# Altium PCB PCB.PcbDoc (part 1 of 4) (continued)
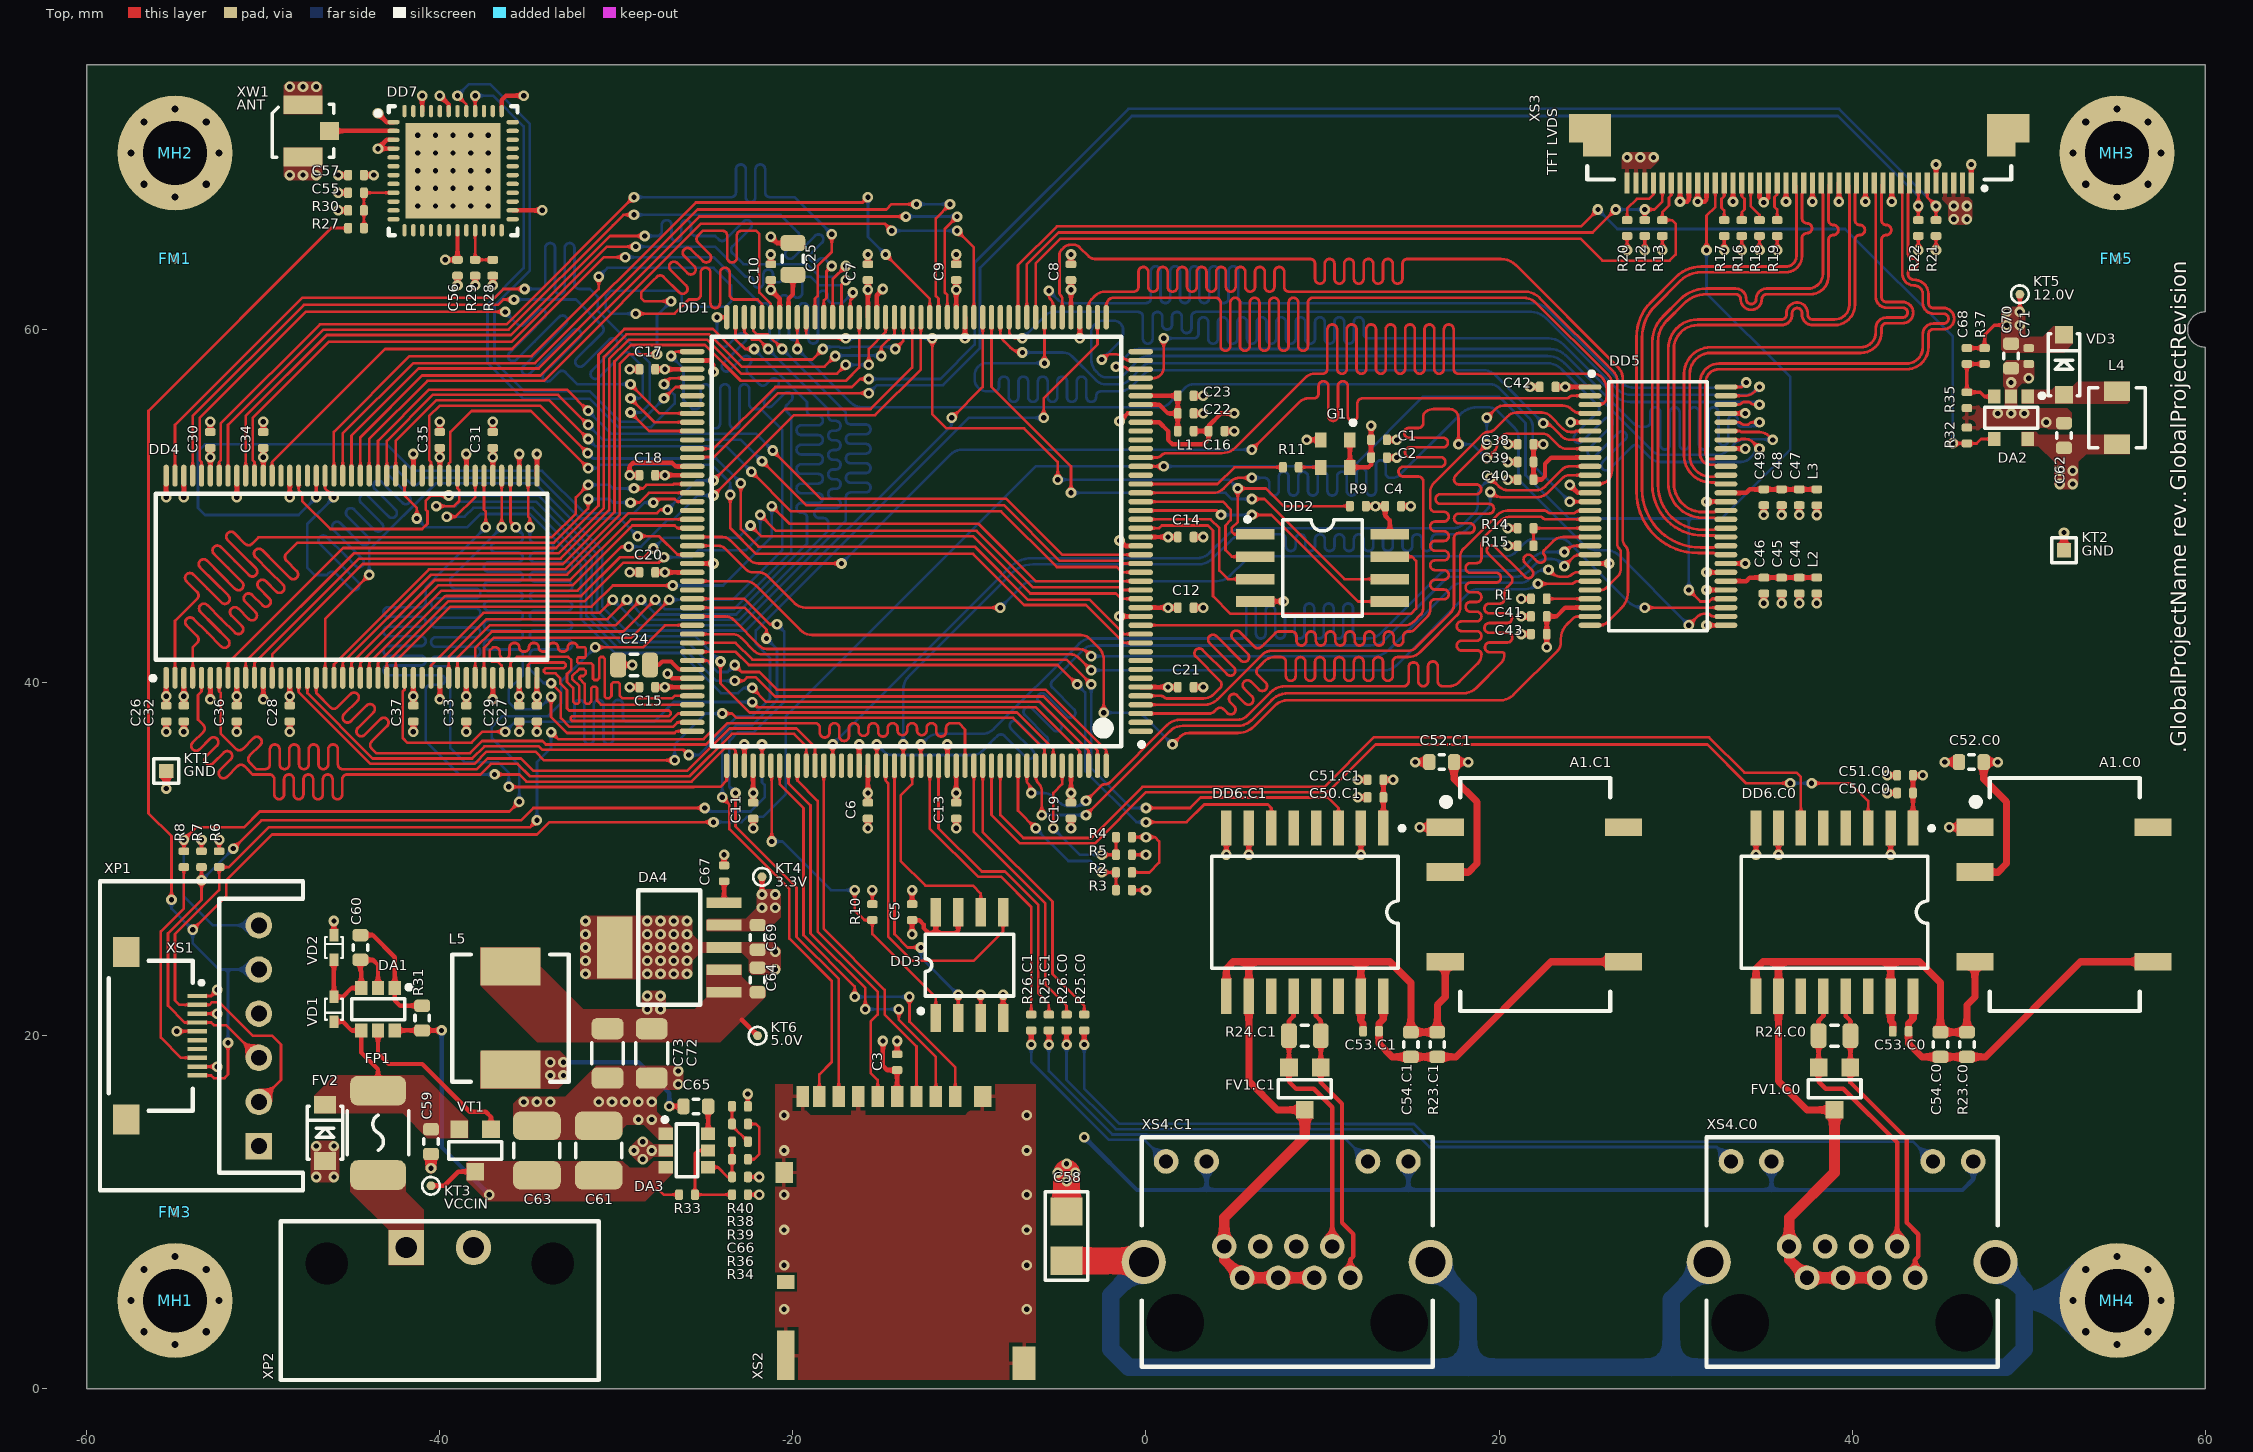
[diagram p0: Top view]
## Footprints (in the part's own frame and the unit in brackets; to place one, negate y for a bottom-side part, rotate by r counter-clockwise, add the part's x,y. Pads: shape width x height; smd on the part's side, far side on the other; paste and mask are expansions set on the pad) (continued)
  oval 0.3x1.4 smd: 45(-10.75,-12.7) 46(-10.25,-12.7) 47(-9.75,-12.7) 48(-9.25,-12.7) 49(-8.75,-12.7) 50(-8.25,-12.7) 51(-7.75,-12.7) 52(-7.25,-12.7) 53(-6.75,-12.7) 54(-6.25,-12.7) 55(-5.75,-12.7) 56(-5.25,-12.7) 57(-4.75,-12.7) 58(-4.25,-12.7) 59(-3.75,-12.7) 60(-3.25,-12.7) 61(-2.75,-12.7) 62(-2.25,-12.7) 63(-1.75,-12.7) 64(-1.25,-12.7) 65(-0.75,-12.7) 66(-0.25,-12.7) 67(0.25,-12.7) 68(0.75,-12.7) 69(1.25,-12.7) 70(1.75,-12.7) 71(2.25,-12.7) 72(2.75,-12.7) 73(3.25,-12.7) 74(3.75,-12.7) 75(4.25,-12.7) 76(4.75,-12.7) 77(5.25,-12.7) 78(5.75,-12.7) 79(6.25,-12.7) 80(6.75,-12.7) 81(7.25,-12.7) 82(7.75,-12.7) 83(8.25,-12.7) 84(8.75,-12.7) 85(9.25,-12.7) 86(9.75,-12.7) 87(10.25,-12.7) 88(10.75,-12.7) 133(10.75,12.7) 134(10.25,12.7) 135(9.75,12.7) 136(9.25,12.7) 137(8.75,12.7) 138(8.25,12.7) 139(7.75,12.7) 140(7.25,12.7) 141(6.75,12.7) 142(6.25,12.7) 143(5.75,12.7) 144(5.25,12.7) 145(4.75,12.7) 146(4.25,12.7) 147(3.75,12.7) 148(3.25,12.7) 149(2.75,12.7) 150(2.25,12.7) 151(1.75,12.7) 152(1.25,12.7) 153(0.75,12.7) 154(0.25,12.7) 155(-0.25,12.7) 156(-0.75,12.7) 157(-1.25,12.7) 158(-1.75,12.7) 159(-2.25,12.7) 160(-2.75,12.7) 161(-3.25,12.7) 162(-3.75,12.7) 163(-4.25,12.7) 164(-4.75,12.7) 165(-5.25,12.7) 166(-5.75,12.7) 167(-6.25,12.7) 168(-6.75,12.7) 169(-7.25,12.7) 170(-7.75,12.7) 171(-8.25,12.7) 172(-8.75,12.7) 173(-9.25,12.7) 174(-9.75,12.7) 175(-10.25,12.7) 176(-10.75,12.7)
  silkscreen extent -12.88,-11.6 11.6,11.62, body extent -13,-13 13,13, height 1.6
Mark-Fiducial_2.00mm [mm] "Реперный знак"
  round 0.5 smd mask+0.5: FM(0,0)
  Top pour cut-out: -1,0 -0.866,0.5 -0.5,0.866 0,1 0,1 0.383,0.924 0.707,0.707 0.924,0.383 1,0 1,0 0.924,-0.383 0.707,-0.707 0.383,-0.924 0,-1 0,-1 -0.383,-0.924 -0.707,-0.707 -0.924,-0.383 -1,0
MH_M3.0 [mm] "Mounting hole M3"
  round 0.4 hole 0.4 paste-10: MH(-2.5,0) MH(-1.768,1.768) MH(-1.768,-1.768) MH(0,2.5) MH(0,-2.5) MH(1.768,1.768) MH(1.768,-1.768) MH(2.5,0)
  round 6.5 hole 3.6 paste-10: MH(0,0)
QFN-48_050P700X700X104_N [mm] "QFN, 48-Leads, Body 7,00x7,00mm, Pitch 0,50mm, Thermal Pad 5,40x5,40mm, IPC High Density"
  oval 0.7x0.25 smd: 1(-3.375,2.75) 2(-3.375,2.25) 3(-3.375,1.75) 4(-3.375,1.25) 5(-3.375,0.75) 6(-3.375,0.25) 7(-3.375,-0.25) 8(-3.375,-0.75) 9(-3.375,-1.25) 10(-3.375,-1.75) 11(-3.375,-2.25) 12(-3.375,-2.75) 25(3.375,-2.75) 26(3.375,-2.25) 27(3.375,-1.75) 28(3.375,-1.25) 29(3.375,-0.75) 30(3.375,-0.25) 31(3.375,0.25) 32(3.375,0.75) 33(3.375,1.25) 34(3.375,1.75) 35(3.375,2.25) 36(3.375,2.75)
  oval 0.25x0.7 smd: 13(-2.75,-3.375) 14(-2.25,-3.375) 15(-1.75,-3.375) 16(-1.25,-3.375) 17(-0.75,-3.375) 18(-0.25,-3.375) 19(0.25,-3.375) 20(0.75,-3.375) 21(1.25,-3.375) 22(1.75,-3.375) 23(2.25,-3.375) 24(2.75,-3.375) 37(2.75,3.375) 38(2.25,3.375) 39(1.75,3.375) 40(1.25,3.375) 41(0.75,3.375) 42(0.25,3.375) 43(-0.25,3.375) 44(-0.75,3.375) 45(-1.25,3.375) 46(-1.75,3.375) 47(-2.25,3.375) 48(-2.75,3.375)
  rect 5.4x5.4 smd: TP(0,0)
  silkscreen extent -4.37,-3.65 3.65,3.65, body extent -3.5,-3.5 3.5,3.5, height 1.04
R0402_L [mm] "Chip Resistor; Body 1.0 x 0.5 mm (LxW typ)"
  rrect50% 0.45x0.6 smd: 1(-0.45,0) 2(0.45,0)
  body extent -0.5,-0.26 0.5,0.26, height 0.36
R0603_L [mm] "Chip Resistor; Body 1.6 x 0.8 mm (LxW typ)"
  rrect50% 0.7x0.9 smd: 1(-0.7,0) 2(0.7,0)
  silkscreen extent -0.15,-0.41 0.15,0.41, body extent -0.8,-0.41 0.8,0.41, height 0.46
R0805_L [mm] "Chip Resistor; Body 2.0 x 1.2 mm (LxW typ)"
  rrect50% 0.9x1.4 smd: 1(-0.9,0) 2(0.9,0)
  silkscreen extent -0.2,-0.6 0.2,0.6, body extent -1,-0.64 1,0.64, height 0.61
SOD-123 [mm] "КД-36"
  rect 1x1 smd: 1(-1.7,0) 2(1.7,0)
  silkscreen extent -1.75,-0.9 1.75,0.9, body extent -1.95,-0.9 1.95,0.9, height 1.19
SOD-123FL [mm]
  rect 1x1.25 smd: 1(-1.6,0) 2(1.6,0)
  silkscreen extent -1.5,-1 1.5,1, body extent -1.8,-0.83 1.8,0.82, height 0.96
SOD-523 [mm]
  rect 0.7x0.5 smd: 1(-0.7,0) 2(0.7,0)
  silkscreen extent -0.6,-0.5 0.6,0.5, body extent -0.82,-0.4 0.83,0.4, height 0.67
SOIC-8_127P490X391X155_N [mm] "4320.8-А Small Outline; 8 Leads; Body Width 3.9 mm; Pitch 1.27 mm"
  rect 0.6x1.6 smd: 1(-1.905,-3) 2(-0.635,-3) 3(0.635,-3) 4(1.905,-3) 5(1.905,3) 6(0.635,3) 7(-0.635,3) 8(-1.905,3)
  silkscreen extent -2.88,-2.72 2.5,1.75, body extent -2.5,-3.01 2.5,3.01, height 1.75
SOIC-8_127P528X528X203_N [mm]
  rect 0.6x2.2 smd: 1(-1.905,-3.81) 2(-0.635,-3.81) 3(0.635,-3.81) 4(1.905,-3.81) 5(1.905,3.81) 6(0.635,3.81) 7(-0.635,3.81) 8(-1.905,3.81)
  silkscreen extent -2.87,-4.37 2.73,2.25, body extent -2.7,-4.1 2.7,4.1, height 2.11
SOIC-16_127P1030X750X265_N [mm]
  rect 0.6x2 smd: 1(-4.445,-4.763) 2(-3.175,-4.763) 3(-1.905,-4.763) 4(-0.635,-4.763) 5(0.635,-4.763) 6(1.905,-4.763) 7(3.175,-4.762) 8(4.445,-4.762) 9(4.445,4.763) 10(3.175,4.763) 11(1.905,4.763) 12(0.635,4.763) 13(-0.635,4.763) 14(-1.905,4.763) 15(-3.175,4.762) 16(-4.445,4.762)
  silkscreen extent -5.63,-4.87 5.27,3.18, body extent -5.21,-5.33 5.29,5.27, height 2.57
SOT-23-5_095P290X160X145_N [mm]
  rect 0.7x0.8 smd: 1(-0.95,-1.2) 2(0,-1.2) 3(0.95,-1.2) 4(0.95,1.2) 5(-0.95,1.2)
  silkscreen extent -1.88,-1.37 1.5,0.6, body extent -1.5,-1.2 1.5,1.3, height 1.09
SOT-23-6_095P290X160X145_N [mm]
  rect 0.7x0.8 smd: 1(-0.95,-1.2) 2(0,-1.2) 3(0.95,-1.2) 4(0.95,1.2) 5(0,1.2) 6(-0.95,1.2)
  silkscreen extent -1.88,-1.37 1.5,0.6, body extent -1.45,-1.4 1.45,1.4, height 1.45
SOT-23_190P290X160X145_N#1 [mm] "КТ-46"
  rect 1x1 smd: 1(-0.9,-1.2) 2(0,1.2) 3(0.9,-1.2)
  silkscreen extent -1.5,-0.5 1.5,0.5, body extent -1.5,-1.15 1.5,1.15, height 1.11
SOT-23_190P290X160X145_N#2 [mm] "КТ-46"
  rect 1x1 smd: 1(-0.9,-1.2) 2(0.9,-1.2) 3(0,1.2)
  silkscreen extent -1.5,-0.5 1.5,0.5, body extent -1.5,-1.15 1.5,1.15, height 1.11
SOT-223-6_127P650X350X180_N [mm]
  rect 0.6x2 smd: 1(-2.54,-3.1) 2(-1.27,-3.1) 3(0,-3.1) 4(1.27,-3.1) 5(2.54,-3.1)
  rect 3.5x2 smd: 6(0,3.1)
  silkscreen extent -3.25,-1.75 3.25,1.75, body extent -3.27,-3.63 3.28,3.63, height 1.8
SRP3020TA-Series [mm]
  rect 1.1x1.45 smd: 1(-1.5,0) 2(1.5,0)
  silkscreen extent -1.7,-1.6 1.7,1.6, body extent -1.75,-1.6 1.75,1.6, height 1.8
SRP7028C-Series [mm]
  rect 2.15x3.4 smd: 1(-2.925,0) 2(2.925,0)
  silkscreen extent -3.6,-3.3 3.6,3.3, body extent -3.55,-3.3 3.55,3.3, height 2.81
TP-SMT-C-0.5mm [mm]
  round 0.5 smd paste-1: 1(0,0)
  silkscreen extent -0.5,-0.5 0.5,0.5
TP-SMT-R-0.8mm [mm]
  rect 0.8x0.8 smd paste-1: 1(0,0)
  silkscreen extent -0.7,-0.7 0.7,0.7
TSOP2-86_050P2222X1016X125_N [mm] "TSSOP, 86-Leads, Body 22,22x10,16mm, Pitch 0,50mm, IPC Medium Density"
  oval 0.3x1.25 smd: 1(-10.5,-5.725) 2(-10,-5.725) 3(-9.5,-5.725) 4(-9,-5.725) 5(-8.5,-5.725) 6(-8,-5.725) 7(-7.5,-5.725) 8(-7,-5.725) 9(-6.5,-5.725) 10(-6,-5.725) 11(-5.5,-5.725) 12(-5,-5.725) 13(-4.5,-5.725) 14(-4,-5.725) 15(-3.5,-5.725) 16(-3,-5.725) 17(-2.5,-5.725) 18(-2,-5.725) 19(-1.5,-5.725) 20(-1,-5.725) 21(-0.5,-5.725) 22(0,-5.725) 23(0.5,-5.725) 24(1,-5.725) 25(1.5,-5.725) 26(2,-5.725) 27(2.5,-5.725) 28(3,-5.725) 29(3.5,-5.725) 30(4,-5.725) 31(4.5,-5.725) 32(5,-5.725) 33(5.5,-5.725) 34(6,-5.725) 35(6.5,-5.725) 36(7,-5.725) 37(7.5,-5.725) 38(8,-5.725) 39(8.5,-5.725) 40(9,-5.725) 41(9.5,-5.725) 42(10,-5.725) 43(10.5,-5.725) 44(10.5,5.725) 45(10,5.725) 46(9.5,5.725) 47(9,5.725) 48(8.5,5.725) 49(8,5.725) 50(7.5,5.725) 51(7,5.725) 52(6.5,5.725) 53(6,5.725) 54(5.5,5.725) 55(5,5.725) 56(4.5,5.725) 57(4,5.725) 58(3.5,5.725) 59(3,5.725) 60(2.5,5.725) 61(2,5.725) 62(1.5,5.725) 63(1,5.725) 64(0.5,5.725) 65(0,5.725) 66(-0.5,5.725) 67(-1,5.725) 68(-1.5,5.725) 69(-2,5.725) 70(-2.5,5.725) 71(-3,5.725) 72(-3.5,5.725) 73(-4,5.725) 74(-4.5,5.725) 75(-5,5.725) 76(-5.5,5.725) 77(-6,5.725) 78(-6.5,5.725) 79(-7,5.725) 80(-7.5,5.725) 81(-8,5.725) 82(-8.5,5.725) 83(-9,5.725) 84(-9.5,5.725) 85(-10,5.725) 86(-10.5,5.725)
  silkscreen extent -11.37,-5.87 11.1,4.7, body extent -11.1,-5.88 11.1,5.88, height 1.25
TSSOP-56_050P1400X610X120_N [mm] "TSSOP, 56-Leads, Body 14,00x6,10mm, Pitch 0,50mm, IPC Medium Density"
  oval 0.3x1.3 smd: 1(-6.75,-3.85) 2(-6.25,-3.85) 3(-5.75,-3.85) 4(-5.25,-3.85) 5(-4.75,-3.85) 6(-4.25,-3.85) 7(-3.75,-3.85) 8(-3.25,-3.85) 9(-2.75,-3.85) 10(-2.25,-3.85) 11(-1.75,-3.85) 12(-1.25,-3.85) 13(-0.75,-3.85) 14(-0.25,-3.85) 15(0.25,-3.85) 16(0.75,-3.85) 17(1.25,-3.85) 18(1.75,-3.85) 19(2.25,-3.85) 20(2.75,-3.85) 21(3.25,-3.85) 22(3.75,-3.85) 23(4.25,-3.85) 24(4.75,-3.85) 25(5.25,-3.85) 26(5.75,-3.85) 27(6.25,-3.85) 28(6.75,-3.85) 29(6.75,3.85) 30(6.25,3.85) 31(5.75,3.85) 32(5.25,3.85) 33(4.75,3.85) 34(4.25,3.85) 35(3.75,3.85) 36(3.25,3.85) 37(2.75,3.85) 38(2.25,3.85) 39(1.75,3.85) 40(1.25,3.85) 41(0.75,3.85) 42(0.25,3.85) 43(-0.25,3.85) 44(-0.75,3.85) 45(-1.25,3.85) 46(-1.75,3.85) 47(-2.25,3.85) 48(-2.75,3.85) 49(-3.25,3.85) 50(-3.75,3.85) 51(-4.25,3.85) 52(-4.75,3.85) 53(-5.25,3.85) 54(-5.75,3.85) 55(-6.25,3.85) 56(-6.75,3.85)
  silkscreen extent -7.62,-3.87 7.05,2.8, body extent -7.05,-4.05 7.05,4.05, height 1.2
XF2M-1015-1A [mm]
  rect 0.25x1.1 smd mask+0.025: 1(2.25,-2.25) 2(1.75,-2.25) 3(1.25,-2.25) 4(0.75,-2.25) 5(0.25,-2.25) 6(-0.25,-2.25) 7(-0.75,-2.25) 8(-1.25,-2.25) 9(-1.75,-2.25) 10(-2.25,-2.25)
  rect 1.7x1.5 smd mask+0.025: SH(-4.75,1.75) SH(4.75,1.75)
  silkscreen extent -4.25,-2.6 4.25,2.75, body extent -4.55,-3.2 4.55,2.7, height 2

## Part data
A1.C0 A1.C1: library part B0505XT-1WR3, Manufacturer=Mornsun, Output Current Max=+200mA, Output Current Min=+20mA, Output Voltage=+5V, Working Temperature Max=+105°С, Working Temperature Min=-40°С, Application Category=1, Functional Analog=-, I-O Isolation=1.5kV, ID=5, Part Number=B0505XT-1WR3, Published=14.04.2020, Publisher="Andrew Danich", Supply Operation=+4.5…5.5V, Type=Модуль
C1 C22 C38 C41 C44 C47 C50.C0 C50.C1: library part GRM155C71A105KE11D, Dielectric Type=X7S, Manufacturer=Murata, Schematic Value="1uF, 10V, X7S", Tolerance=±10%, Voltage=10V, Working Temperature Max=+125°С, Working Temperature Min=-55°С, Application Category=1, ID=179, Part Number=GRM155C71A105KE11D, Published=18.05.2010, Publisher="Andrew Danich", Type=Конденсатор
C2 C4 C5 C8 C9 C10 C11 C12 C13 C14 C15 C16 C17 C18 C19 C20 C21 C23 C28 C29 C30 C31 C39 C42 C45 C48 C51.C0 C51.C1 C53.C0 C53.C1 C55 C56: library part GCM155R71C104KA55D, Dielectric Type=X7R, Manufacturer=Murata, Schematic Value="0.1uF, 16V, X7R", Tolerance=±10%, Voltage=16V, Working Temperature Max=+125°С, Working Temperature Min=-55°С, Application Category=1, Functional Analog=GRM155R71C104KA88D, ID=163, Part Number=GCM155R71C104KA55D, Published=18.05.2010, Publisher="Andrew Danich", Type=Конденсатор
C3 C26 C27 C57: library part GRM155R60J106ME15D, Dielectric Type=X5R, Manufacturer=Murata, Schematic Value="10uF, 6.3V, X5R", Tolerance=±20%, Voltage=6.3V, Working Temperature Max=+85°С, Working Temperature Min=-55°С, Application Category=1, ID=234, Part Number=GRM155R60J106ME15D, Published=18.05.2010, Publisher="Andrew Danich", Type=Конденсатор
C6 C7: library part GRM155R61A475MEAAD, Dielectric Type=X5R, Manufacturer=Murata, Schematic Value="4.7uF, 10V, X5R", Tolerance=±20%, Voltage=10V, Working Temperature Max=+85°С, Working Temperature Min=-55°С, Application Category=1, ID=255, Part Number=GRM155R61A475MEAAD, Published=18.05.2010, Publisher="Andrew Danich", Type=Конденсатор
C24 C25: library part GRM21BR61E106KA73L, Dielectric Type=X5R, Manufacturer=Murata, Schematic Value="10uF, 25V, X5R", Tolerance=±10%, Voltage=25V, Application Category=1, ID=53, Part Number=GRM21BR61E106KA73L, Published=18.05.2010, Publisher="Andrew Danich", Type=Конденсатор
C32 C33 C34 C35 C36 C37 C40 C43 C46 C49 C67: library part GCM155R71E103KA37D, Dielectric Type=X7R, Manufacturer=Murata, Schematic Value="0.01uF, 25V, X7R", Tolerance=±10%, Voltage=25V, Working Temperature Max=+125°С, Working Temperature Min=-55°С, Application Category=1, Functional Analog=GRM155R71E103KA01D, ID=150, Part Number=GCM155R71E103KA37D, Published=18.05.2010, Publisher="Andrew Danich", Type=Конденсатор
  C67: ClassName=DirectConnect
C52.C0 C52.C1 C54.C0 C54.C1: library part GRM188R61E106MA73D, Dielectric Type=X5R, Manufacturer=Murata, Schematic Value="10uF, 25V, X5R", Tolerance=±20%, Voltage=25V, Working Temperature Max=+85°С, Working Temperature Min=-55°С, Application Category=1, ID=165, Part Number=GRM188R61E106MA73D, Published=18.05.2010, Publisher="Andrew Danich", Type=Конденсатор
C58: library part GRM31BR73A102KW01L, Dielectric Type=X7R, Manufacturer=Murata, Schematic Value="1000pF, 1000V, X7R", Tolerance=±10%, Voltage=1000V, Working Temperature Max=+125°С, Working Temperature Min=-55°С, Application Category=1, ClassName=DirectConnect, ID=218, Part Number=GRM31BR73A102KW01L, Published=18.05.2010, Publisher="Andrew Danich", Type=Конденсатор
C59 C60 C65: library part GRM188R72A104KA35D, Dielectric Type=X7R, Manufacturer=Murata, Schematic Value="0.1uF, 100V, X7R", Tolerance=±10%, Voltage=100V, Working Temperature Max=+125°С, Working Temperature Min=-55°С, Application Category=1, ID=232, Part Number=GRM188R72A104KA35D, Published=18.05.2010, Publisher="Andrew Danich", Type=Конденсатор
  C59 C65: ClassName=DirectConnect
C61 C63: library part GRM32ER71H106KA12L, Dielectric Type=X7R, Manufacturer=Murata, Schematic Value="10uF, 50V, X7R", Tolerance=±10%, Voltage=50V, Working Temperature Max=+125°С, Working Temperature Min=-55°С, Application Category=1, ClassName=DirectConnect, ID=260, Part Number=GRM32ER71H106KA12L, Published=18.05.2010, Publisher="Andrew Danich", Type=Конденсатор
C62 C64 C69: library part GRM188R61E225MA12D, Dielectric Type=X5R, Manufacturer=Murata, Schematic Value="2.2uF, 25V, X5R", Tolerance=±20%, Voltage=25V, Working Temperature Max=+85°С, Working Temperature Min=-55°С, Application Category=1, ClassName=DirectConnect, ID=152, Part Number=GRM188R61E225MA12D, Published=18.05.2010, Publisher="Andrew Danich", Type=Конденсатор
C66: library part GCM1555C1H750JA16D, Dielectric Type=NP0, Manufacturer=Murata, Schematic Value="75pF, 50V, NP0", Tolerance=±5%, Voltage=50V, Working Temperature Max=+125°С, Working Temperature Min=-55°С, Application Category=1, ID=264, Part Number=GCM1555C1H750JA16D, Published=18.05.2010, Publisher="Andrew Danich", Type=Конденсатор
C68: library part GRM1555C1H121JA01D, Dielectric Type=NP0, Manufacturer=Murata, Schematic Value="120pF, 50V, NP0", Tolerance=±5%, Voltage=50V, Working Temperature Max=+125°С, Working Temperature Min=-55°С, Application Category=1, ID=259, Part Number=GRM1555C1H121JA01D, Published=18.05.2010, Publisher="Andrew Danich", Type=Конденсатор
C70: library part GRM188C81E475KE11D, Dielectric Type=X6S, Manufacturer=Murata, Schematic Value="4.7uF, 25V, X6S", Tolerance=±10%, Voltage=25V, Working Temperature Max=+105°С, Working Temperature Min=-55°С, Application Category=1, ClassName=DirectConnect, Functional Analog=GRT188C81E475KE13D, ID=265, Part Number=GRM188C81E475KE11D, Published=18.05.2010, Publisher="Andrew Danich", Type=Конденсатор
C71: library part GCM155R71E223KA55D, Dielectric Type=X7R, Manufacturer=Murata, Schematic Value="0.022uF, 25V, X7R", Tolerance=±10%, Voltage=25V, Working Temperature Max=+125°С, Working Temperature Min=-55°С, Application Category=1, ClassName=DirectConnect, Functional Analog=GRM155R71E223KA61D, ID=170, Part Number=GCM155R71E223KA55D, Published=18.05.2010, Publisher="Andrew Danich", Type=Конденсатор
C72 C73: library part GRM31CR71A226KE15L, Dielectric Type=X7R, Manufacturer=Murata, Schematic Value="22uF, 10V, X7R", Tolerance=±10%, Voltage=10V, Working Temperature Max=+125°С, Working Temperature Min=-55°С, Application Category=1, ClassName=DirectConnect, ID=238, Part Number=GRM31CR71A226KE15L, Published=18.05.2010, Publisher="Andrew Danich", Type=Конденсатор
DA1: library part LM5050MK-1/NOPB, Manufacturer="Texas Instruments", Max Input AC Voltage=75V, Startup Voltage=+5V, Supply Current=790uA, Working Temperature Max=+125°С, Working Temperature Min=-40°С, Application Category=1, ClassName=DirectConnect, Duty Cycle=100%, Functional Analog=LM5050MKX-1/NOPB, ID=2, MOSFET Type="N-Channel MOSFET", Part Number=LM5050MK-1/NOPB, Published=08.12.2018, Publisher="Andrew Danich", Type=Микросхема
DA2: library part LMR64010XMFX/NOPB, Frequency=1.6MHz, Input Voltage=+2.7…14V, Manufacturer="Texas Instruments", Output Current=1A, Output Voltage=+3.0…40.0V, Working Temperature Max=+125°С, Working Temperature Min=-40°С, Application Category=1, ClassName=DirectConnect, Functional Analog="LMR64010XMF/NOPB, LMR64010XMFE/NOPB", ID=25, Part Number=LMR64010XMFX/NOPB, Published=23.05.2020, Publisher="Andrew Danich", Shutdown Input=YES, Type=Микросхема
DA3: library part TPS54308DDCR, Frequency=350kHz, Input Voltage=+4.5…28.0V, Manufacturer="Texas Instruments", Output Current=3A, Output Voltage=+0.6…26V, Working Temperature Max=+125°С, Working Temperature Min=-40°С, Application Category=1, ClassName=DirectConnect, Efficiency=90%, Functional Analog=TPS54308DDCT, ID=73, Part Number=TPS54308DDCR, Published=23.05.2020, Publisher="Andrew Danich", Shutdown Input=YES, Type=Микросхема
DA4: library part TPS78633DCQR, Input Voltage=+3.69…5.5V, Manufacturer="Texas Instruments", Output Current=1.5A, Output Voltage=+3.3V, Working Temperature Max=+150°С, Working Temperature Min=-40°С, Application Category=1, ClassName=DirectConnect, Functional Analog=TPS78633DCQT, ID=38, Part Number=TPS78633DCQR, Published=05.06.2020, Publisher="Andrew Danich", RMS Noise=48uV, Type=Микросхема
DD1: library part STM32H743IIT6, Manufacturer=STMicroelectronics, Operation Frequency=400MHz, Working Temperature Max=+85°С, Working Temperature Min=-40°С, Application Category=1, Flash=2M, I/O Lines=140, ID=36, Part Number=STM32H743IIT6, Prog Interface="JTAG, SWD, UART, USB", Published=19.05.2020, Publisher="Andrew Danich", SRAM=1M, Supply Operation=+1.62…3.6V, Type=Микросхема
DD2: library part W25Q128JVSIQ, Clock Frequency=133MHz, Manufacturer=Winbond, Supply Current=25mA, Working Temperature Max=+85°С, Working Temperature Min=-40°С, Addressable=NO, Application Category=1, ID=21, Interface=SPI, Memory=16M, Part Number=W25Q128JVSIQ, Published=11.06.2017, Publisher="Andrew Danich", Supply Operation=+2.7…3.6V, Type=Микросхема
DD3: library part FM25CL64B-G, Clock Frequency=20MHz, Manufacturer="Cypress Semiconductor", Supply Current=3mA, Working Temperature Max=+85°С, Working Temperature Min=-40°С, Addressable=NO, Application Category=1, Functional Analog=FM25CL64B-GTR, ID=2, Interface=SPI, Memory=64Kb, Part Number=FM25CL64B-G, Published=21.05.2020, Publisher="Andrew Danich", Supply Operation=+2.7…3.6V, Type=Микросхема
DD4: library part IS42S32160F-7TLI, Clock Frequency=167MHz, Manufacturer=ISSI, Supply Current=140mA, Working Temperature Max=+85°С, Working Temperature Min=-40°С, Addressable=Yes, Application Category=1, ID=6, Interface=Parallel, Memory=16M*32, Part Number=IS42S32160F-7TLI, Published=20.05.2020, Publisher="Andrew Danich", Supply Operation=+3.0…3.6V, Type=Микросхема
DD5: library part SN65LVDS93ADGGR, Manufacturer="Texas Instruments", Supply Current=102mA, Working Temperature Max=+85°С, Working Temperature Min=-40°С, Application Category=1, Data Rate="3780 Mb/s", Functional Analog=SN65LVDS93ADGG, ID=4, Input Type=LVTTL, Number of Drivers=4, Number of Receivers=28, Output Type=LVDS, Part Number=SN65LVDS93ADGGR, Published=19.05.2020, Publisher="Andrew Danich", Supply Operation=+1.62…3.6V, Type=Микросхема
DD6.C0 DD6.C1: library part ISO1050DWR, Manufacturer="Texas Instruments", Supply Current=+70mA, Working Temperature Max=+105°С, Working Temperature Min=-55°С, Application Category=1, Application Type=Transceiver, Data Rate=1Mb/s, Functional Analog=ISO1050DW, ID=3, Input Interface=CAN, Input Speed=1Mb/s, Note=Isolated, Part Number=ISO1050DWR, Published=14.04.2020, Publisher="Andrew Danich", Supply Operation=+3.0…5.5V, Type=Микросхема
DD7: Manufacturer="Espressif Systems", Operation Frequency="240 MHz", Supply Current=+2.7…3.6V, Working Temperature Max=+85°С, Working Temperature Min=-40°С, Application Category=1, I/O Lines=34, ID=1, Part Number=ESP32-PICO-D4, Published=20.05.2020, Publisher="Andrew Danich", ROM/RAM=4M/, Supply Operation=+500mA, Supported Interfaces="GPIO, I2C, I2S, SPI, UART, SDIO, ADC, DAC", Type=Модуль, Wireless Compatibility="Wi-Fi, Bluetooth"
FP1: library part MF-MSMF050/40X-2, Current Rating Max=20A, Hold Current=0.5A, Limit Voltage=40V, Manufacturer=Bourns, Resistance=1.3ohm, Trip Current=1A, Working Temperature Max=+85°С, Working Temperature Min=-40°С, Application Category=1, ClassName=DirectConnect, ID=21, Part Number=MF-MSMF050/40X-2, Published=25.0.2017, Type="Предохранитель самовосстанавливающийся"
FV1.C0 FV1.C1: library part ESDCAN24-2BLY, Breakdown Voltage=27V, Junction Capacitance=30pF, Manufacturer=STMicroelectronics, Peak Forward Current=5A, Pulse Power Dissipation=230W, Working Temperature Max=+150°С, Working Temperature Min=-40°С, Application Category=1, Directional=Bidirectional, ID=37, Part Number=ESDCAN24-2BLY, Published=20.05.2020, Publisher="Andrew Danich", Type=Супрессор
FV2: library part SMF4L36CA, Breakdown Voltage=40V, Manufacturer=LittleFuse, Peak Forward Current=6.9A, Pulse Power Dissipation=400W, Reverse Stand Off Voltage=36V, Working Temperature Max=+150°С, Working Temperature Min=-55°С, Application Category=1, ClassName=DirectConnect, Directional=Bidirectional, ID=32, Part Number=SMF4L36CA, Published=27.07.2015, Publisher="Andrew Danich", Type=Супрессор
G1: library part DSC1001DI5-050.0000, Manufacturer=Microchip, Output Frequency=50MHz, Output Voltage=0.2VCC…0.8VCC, Supply Current=8.5mA, Temperature Coefficient=10ppm, Working Temperature Max=+85°С, Working Temperature Min=-40°С, Application Category=1, Functional Analog=DSC1001DI5-050.0000T, ID=12, Output Signal=CMOS, Part Number=DSC1001DI5-050.0000, Published=07.06.2018, Publisher="Andrew Danich", Shutdown Input=Yes, Supply Operation=+1.7…3.6V, Type=Генератор
KT1 KT2: library part TestPoint-SMT-GND, Manufacturer=-, Application Category=1, Application Type="On PCB Test Point", Functional Analog=-, ID=7, Part Number=TestPoint-SMT-GND, Published=03.03.2015, Publisher="Andrew Danich"
KT3 KT4 KT5 KT6: library part TestPoint-SMT, Manufacturer=-, Application Category=1, Application Type="On PCB Test Point", Functional Analog=-, ID=6, Part Number=TestPoint-SMT, Published=03.03.2015, Publisher="Andrew Danich"
L1: library part BLM15HD601SH1D, DC Resistance=0.85ohm, Inductor Type=EMIFIL, Manufacturer=Murata, Rated Current=300mA, Tolerance=±25%, Working Temperature Max=+125°С, Working Temperature Min=-55°С, Application Category=1, ID=9, Impedance at 100Mhz=600ohm, Part Number=BLM15HD601SH1D, Published=14.11.2014, Publisher="Andrew Danich", Type=Дроссель
L2 L3: library part BLM15PD121SN1D, DC Resistance=0.09ohm, Inductor Type=EMIFIL, Manufacturer=Murata, Rated Current=1.3A, Tolerance=±25%, Working Temperature Max=+125°С, Working Temperature Min=-55°С, Application Category=1, ID=11, Impedance at 100Mhz=120ohm, Part Number=BLM15PD121SN1D, Published=14.11.2014, Publisher="Andrew Danich", Type=Дроссель
L4: library part SRP3020TA-4R7M, DC Resistance=0.2ohm, Inductance=4.7uH, Manufacturer=Bourns, Rated Current=2.6A, Self-Resonant Frequency=34MHz, Tolerance=±20%, Working Temperature Max=+150°С, Working Temperature Min=-40°С, Application Category=1, ClassName=DirectConnect, ID=27, Part Number=SRP3020TA-4R7M, Published=20.05.2010, Publisher="Andrew Danich", Q=10, Type=Дроссель
L5: library part SRP7028C-150M, DC Resistance=0.107ohm, Inductance=15uH, Manufacturer=Bourns, Rated Current=3A, Self-Resonant Frequency=12MHz, Tolerance=±20%, Working Temperature Max=+125°С, Working Temperature Min=-40°С, Application Category=1, ClassName=DirectConnect, Functional Analog=SLO0630H150MTT, ID=40, Part Number=SRP7028C-150M, Published=20.05.2010, Publisher="Andrew Danich", Q=20, Type=Дроссель
R1 R2 R3 R4 R5 R8 R14 R15 R16 R17 R18 R19 R20 R27: library part RC0402JR-070RL, Limit Voltage=50V, Manufacturer=Yageo, Schematic Value="0 ±5%", Temperature Coefficient=100ppm, Tolerance=±5%, Total Power Dissipation=0.1W, Working Temperature Max=+155°С, Working Temperature Min=-55°С, Application Category=1, ID=362, Part Number=RC0402JR-070RL, Published=24.03.2010, Publisher="Andrew Danich", Series Type=Thick-Film, Type=Резистор
R6 R7 R9 R10 R12 R13 R21 R22 R30 R32: library part RC0402JR-0710KL, Limit Voltage=50V, Manufacturer=Yageo, Schematic Value="10k ±5%", Temperature Coefficient=100ppm, Tolerance=±5%, Total Power Dissipation=0.1W, Working Temperature Max=+155°С, Working Temperature Min=-55°С, Application Category=1, ID=476, Part Number=RC0402JR-0710KL, Published=24.03.2010, Publisher="Andrew Danich", Series Type=Thick-Film, Type=Резистор
R11: library part RC0402JR-07100RL, Limit Voltage=50V, Manufacturer=Yageo, Schematic Value="100 ±5%", Temperature Coefficient=100ppm, Tolerance=±5%, Total Power Dissipation=0.1W, Working Temperature Max=+155°С, Working Temperature Min=-55°С, Application Category=1, ID=479, Part Number=RC0402JR-07100RL, Published=24.03.2010, Publisher="Andrew Danich", Series Type=Thick-Film, Type=Резистор
R23.C0 R23.C1: library part RC0603JR-071KL, Limit Voltage=50V, Manufacturer=Yageo, Schematic Value="1k ±5%", Temperature Coefficient=100ppm, Tolerance=±5%, Total Power Dissipation=0.1W, Working Temperature Max=+155°С, Working Temperature Min=-55°С, Application Category=1, Functional Analog=CR0603-JW-102E, ID=19, Part Number=RC0603JR-071KL, Published=24.03.2010, Publisher="Andrew Danich", Series Type=Thick-Film, Type=Резистор
R24.C0 R24.C1: library part RC0805JR-07120RL, Limit Voltage=150V, Manufacturer=Yageo, Schematic Value="120 ±5%", Temperature Coefficient=100ppm, Tolerance=±5%, Total Power Dissipation=0.125W, Working Temperature Max=+155°С, Working Temperature Min=-55°С, Application Category=1, ID=102, Part Number=RC0805JR-07120RL, Published=24.03.2010, Publisher="Andrew Danich", Series Type=Thick-Film, Type=Резистор
R25.C0 R25.C1 R26.C0 R26.C1: library part RC0402JR-07330RL, Limit Voltage=50V, Manufacturer=Yageo, Schematic Value="330 ±5%", Temperature Coefficient=100ppm, Tolerance=±5%, Total Power Dissipation=0.1W, Working Temperature Max=+155°С, Working Temperature Min=-55°С, Application Category=1, ID=478, Part Number=RC0402JR-07330RL, Published=24.03.2010, Publisher="Andrew Danich", Series Type=Thick-Film, Type=Резистор
R28 R29: library part RC0402JR-071KL, Limit Voltage=50V, Manufacturer=Yageo, Schematic Value="1k ±5%", Temperature Coefficient=100ppm, Tolerance=±5%, Total Power Dissipation=0.1W, Working Temperature Max=+155°С, Working Temperature Min=-55°С, Application Category=1, ID=3, Part Number=RC0402JR-071KL, Published=24.03.2010, Publisher="Andrew Danich", Series Type=Thick-Film, Type=Резистор
R31: library part RC0603JR-07100R, Limit Voltage=50V, Manufacturer=Yageo, Schematic Value="100 ±5%", Temperature Coefficient=100ppm, Tolerance=±5%, Total Power Dissipation=0.1W, Working Temperature Max=+155°С, Working Temperature Min=-55°С, Application Category=1, Functional Analog=CR0603-JW-101E, ID=10, Part Number=RC0603JR-07100R, Published=24.03.2010, Publisher="Andrew Danich", Series Type=Thick-Film, Type=Резистор
R33: library part RC0402FR-07499KL, Limit Voltage=50V, Manufacturer=Yageo, Schematic Value="499k ±1%", Temperature Coefficient=100ppm, Tolerance=±1%, Total Power Dissipation=0.1W, Working Temperature Max=+155°С, Working Temperature Min=-55°С, Application Category=1, ID=487, Part Number=RC0402FR-07499KL, Published=24.03.2010, Publisher="Andrew Danich", Series Type=Thick-Film, Type=Резистор
R34 R39: library part RC0402FR-07100KL, Limit Voltage=50V, Manufacturer=Yageo, Schematic Value="100k ±1%", Temperature Coefficient=100ppm, Tolerance=±1%, Total Power Dissipation=0.1W, Working Temperature Max=+155°С, Working Temperature Min=-55°С, Application Category=1, ID=1, Part Number=RC0402FR-07100KL, Published=24.03.2010, Publisher="Andrew Danich", Series Type=Thick-Film, Type=Резистор
R35 R36: library part RC0402FR-0713KL, Limit Voltage=50V, Manufacturer=Yageo, Schematic Value="13k ±1%", Temperature Coefficient=100ppm, Tolerance=±1%, Total Power Dissipation=0.1W, Working Temperature Max=+155°С, Working Temperature Min=-55°С, Application Category=1, ID=445, Part Number=RC0402FR-0713KL, Published=24.03.2010, Publisher="Andrew Danich", Series Type=Thick-Film, Type=Резистор
R37: library part RC0402FR-07110KL, Limit Voltage=50V, Manufacturer=Yageo, Schematic Value="110k ±1%", Temperature Coefficient=100ppm, Tolerance=±1%, Total Power Dissipation=0.1W, Working Temperature Max=+155°С, Working Temperature Min=-55°С, Application Category=1, ID=559, Part Number=RC0402FR-07110KL, Published=24.03.2010, Publisher="Andrew Danich", Series Type=Thick-Film, Type=Резистор
R38: library part RC0402FR-072KL, Limit Voltage=50V, Manufacturer=Yageo, Schematic Value="2k ±1%", Temperature Coefficient=100ppm, Tolerance=±1%, Total Power Dissipation=0.1W, Working Temperature Max=+155°С, Working Temperature Min=-55°С, Application Category=1, ID=480, Part Number=RC0402FR-072KL, Published=24.03.2010, Publisher="Andrew Danich", Series Type=Thick-Film, Type=Резистор
R40: library part RC0402FR-0749R9L, Limit Voltage=50V, Manufacturer=Yageo, Schematic Value="49.9 ±1%", Temperature Coefficient=100ppm, Tolerance=±1%, Total Power Dissipation=0.1W, Working Temperature Max=+155°С, Working Temperature Min=-55°С, Application Category=1, ID=491, Part Number=RC0402FR-0749R9L, Published=24.03.2010, Publisher="Andrew Danich", Series Type=Thick-Film, Type=Резистор
VD1 VD2: library part 1N4148WT-7, Capacitance=2pF, Forward Current=250mA, Forward Voltage=1.25V, Manufacturer="Diodes Incorporated", Reverse Current=1uA, Reverse Voltage=100V, Total Power Dissipation=200mW, Working Temperature Max=+150°С, Working Temperature Min=-65°С, Application Category=1, ClassName=DirectConnect, Functional Analog=1N4148X-TP, ID=18, Part Number=1N4148WT-7, Published=18.05.2010, Publisher="Andrew Danich", Recovery Time=4nS, Type=Диод
VD3: library part MBR0540T1G, Capacitance=170pF, Forward Current=0.5A, Forward Voltage=0.51V, Manufacturer="ON Semiconductor", Reverse Current=250uA, Reverse Voltage=40V, Total Power Dissipation=410mW, Working Temperature Max=+150°С, Working Temperature Min=-55°С, Application Category=1, ClassName=DirectConnect, Functional Analog=MBR0540, ID=11, Part Number=MBR0540T1G, Published=18.05.2010, Publisher="Andrew Danich", Type=Диод